# KiCad board SplitKeeb.kicad_pcb
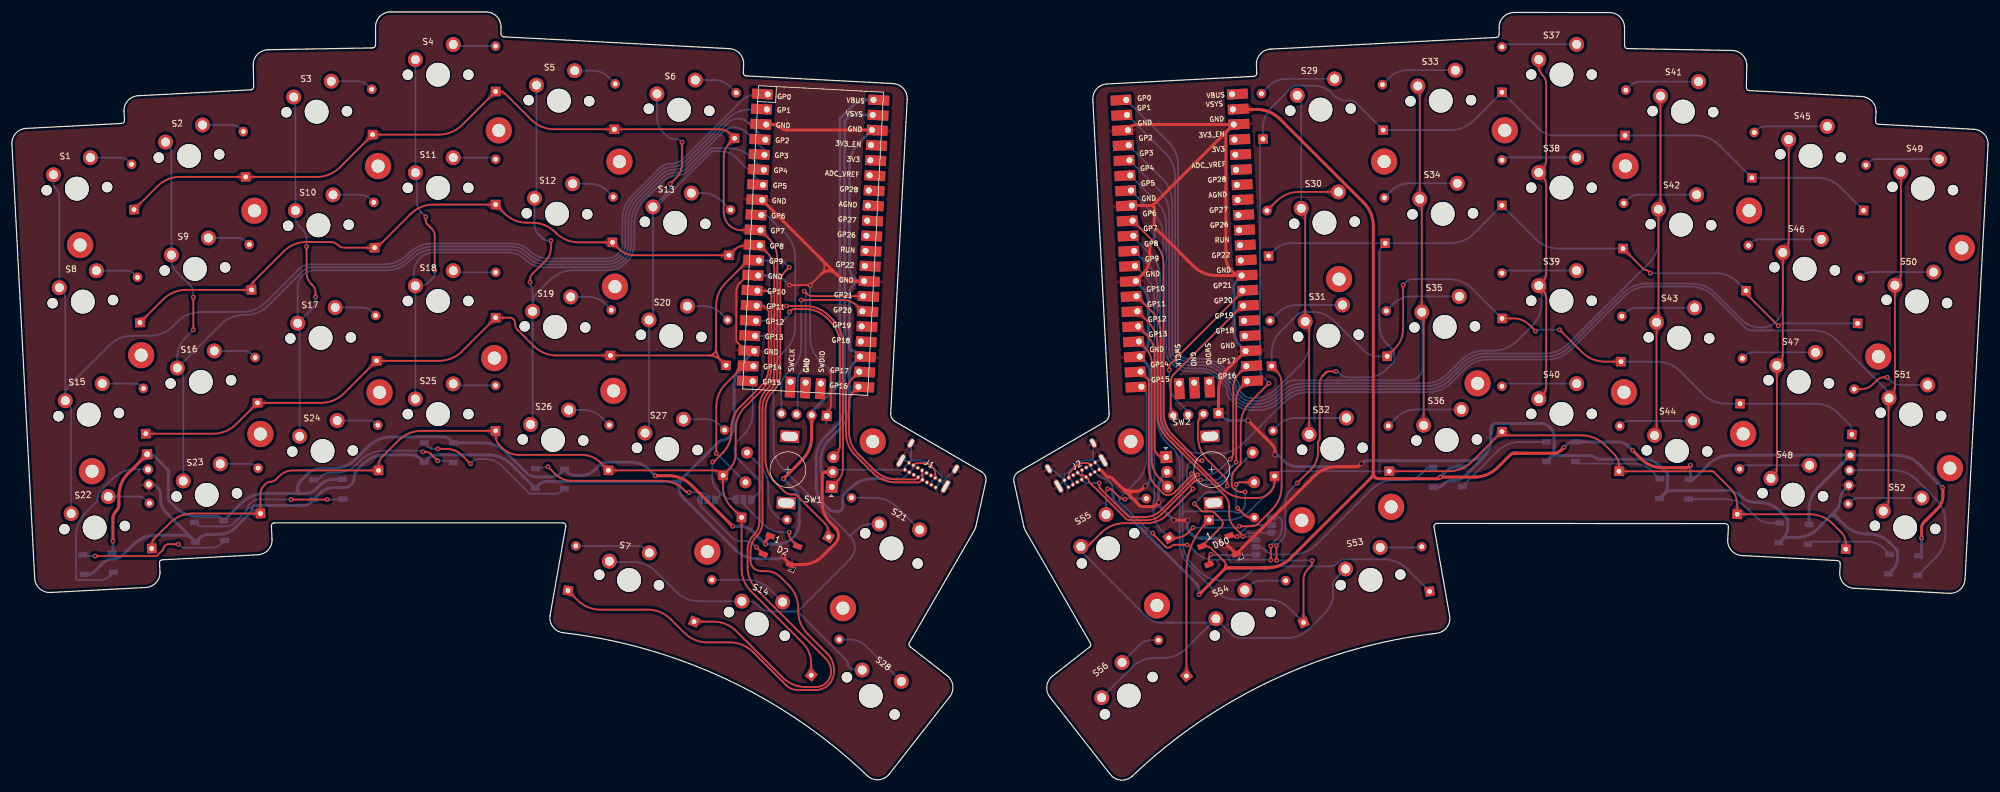
[diagram p0: board, top side]
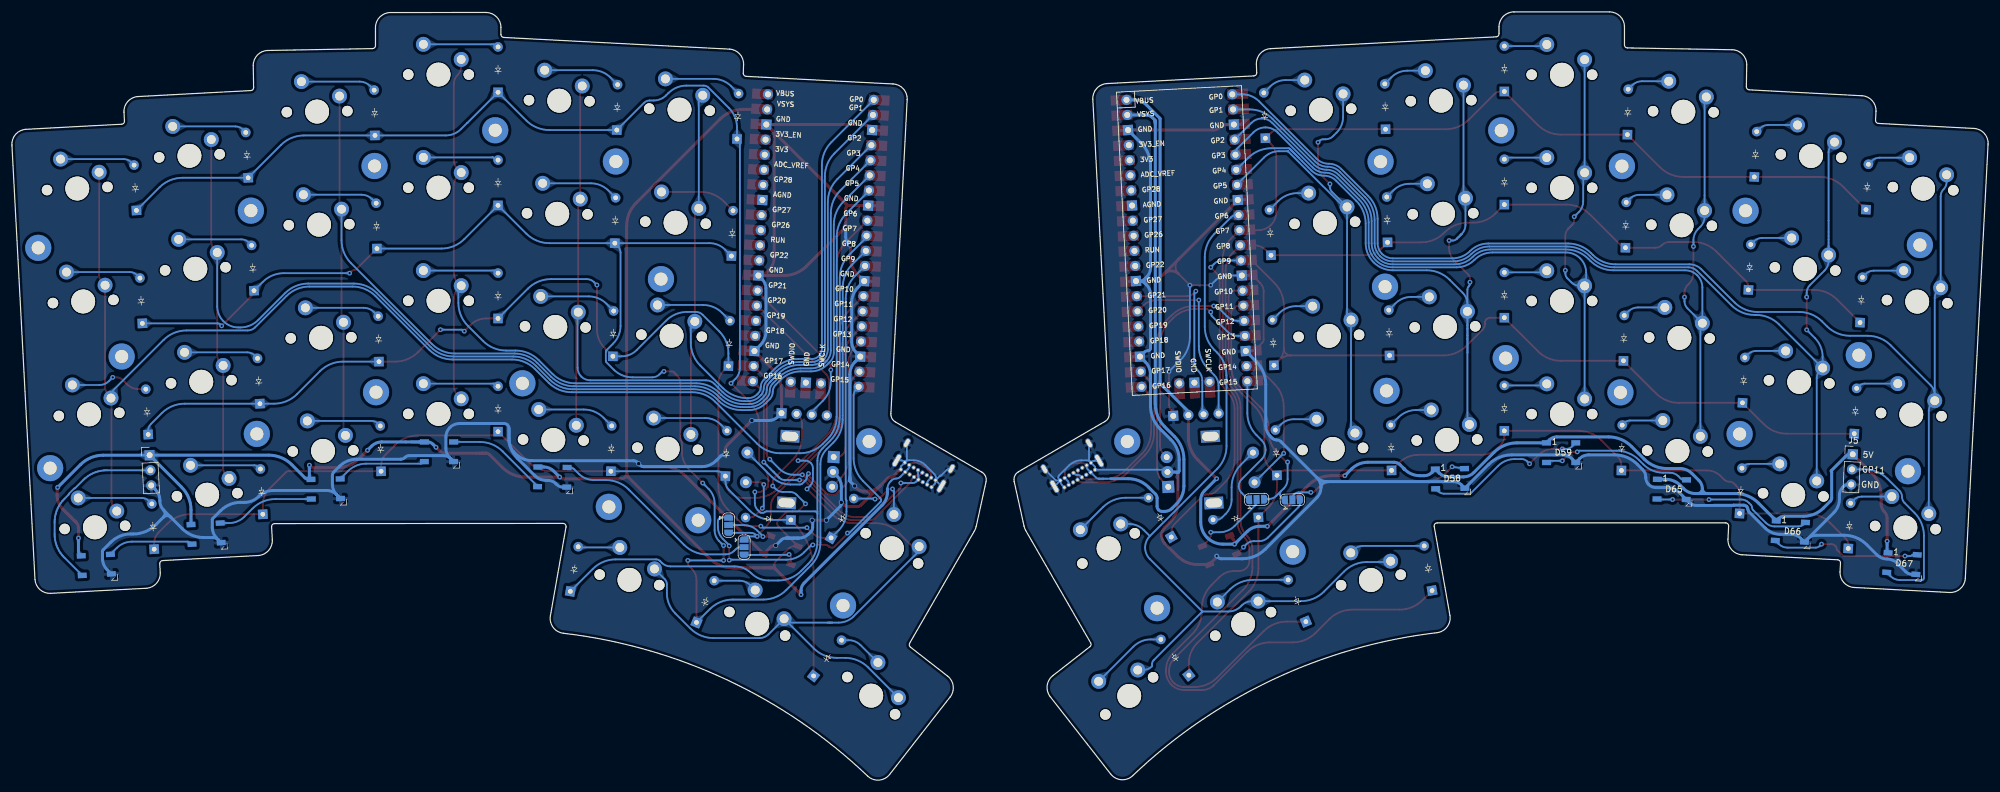
[diagram p1: board, bottom side, seen from below]

Outline 331.61 x 129.03 mm; copper layers: Top, Bottom. Coordinates in mm from the lower left corner of the outline.
Outline path: 0,106.83 arc(0.64,108.63) 2.37,109.46 18.41,110.3 arc(18.76,110.46) 18.89,110.82 18.81,112.32 arc(19.45,114.13) 21.17,114.95 40.09,115.94 arc(40.43,116.1) 40.57,116.45 40.5,120.13 arc(41.2,121.91) 42.96,122.67 60.52,122.98 arc(60.88,123.13) 61.02,123.48 61.02,126.53 arc(61.75,128.3) 63.52,129.03 79.57,129.03 arc(81.34,128.3) 82.07,126.53 82.07,125.34 arc(82.21,124.99) 82.54,124.84 120.41,122.86 arc(122.12,122.05) 122.78,120.26 122.73,118.81 arc(122.86,118.44) 123.2,118.28 147.87,116.99 arc(149.59,116.17) 150.23,114.36 147.47,61.61 arc(147.65,60.8) 148.21,60.22 162.72,51.78 arc(163.34,51.09) 163.43,50.16 161.77,42.64 arc(161.66,42.27) 161.49,41.93 150.59,23.04 arc(150.53,22.7) 150.71,22.4 156.95,17.53 arc(157.9,15.86) 157.38,14.02 147.23,1.02 arc(145.44,0.06) 143.53,0.75 arc(119.96,16.91) 92.48,24.76 arc(90.77,25.75) 90.31,27.68 92.94,42.62 arc(92.83,43.03) 92.45,43.21 44.04,43.21 arc(43.67,43.05) 43.54,42.68 43.65,40.47 arc(43.01,38.67) 41.29,37.85 25.24,37 arc(24.89,36.84) 24.77,36.48 24.84,34.98 arc(24.21,33.18) 22.48,32.35 6.45,31.51 arc(4.65,32.15) 3.82,33.88 0,106.83 ; 168.15,50.11 arc(168.24,51.04) 168.86,51.73 183.36,60.16 arc(183.93,60.74) 184.11,61.54 181.38,114.3 arc(182.02,116.1) 183.75,116.93 208.41,118.21 arc(208.75,118.37) 208.89,118.72 208.84,120.2 arc(209.49,121.97) 211.2,122.78 249.08,124.74 arc(249.42,124.9) 249.55,125.24 249.55,126.43 arc(250.28,128.19) 252.05,128.93 252.05,128.93 268.07,128.92 arc(269.85,128.2) 270.6,126.44 270.6,123.37 arc(270.74,123.02) 271.09,122.87 288.66,122.55 arc(290.42,121.79) 291.12,120.01 291.05,116.32 arc(291.18,115.97) 291.52,115.81 310.44,114.81 arc(312.17,113.99) 312.8,112.18 312.72,110.69 arc(312.85,110.33) 313.2,110.16 329.24,109.31 arc(330.97,108.48) 331.61,106.68 327.74,33.73 arc(326.92,32.01) 325.09,31.37 309.08,32.22 arc(307.36,33.04) 306.72,34.83 306.8,36.34 arc(306.67,36.7) 306.33,36.87 290.28,37.72 arc(288.55,38.55) 287.92,40.35 288.03,42.55 arc(287.9,42.93) 287.53,43.08 239.12,43.11 arc(238.73,42.94) 238.63,42.53 241.25,27.58 arc(240.79,25.65) 239.08,24.67 arc(211.59,16.83) 188.01,0.68 arc(186.11,0) 184.33,0.94 174.17,13.96 arc(173.66,15.81) 174.6,17.47 180.84,22.34 arc(181.03,22.64) 180.97,22.99 170.08,41.88 arc(169.91,42.22) 169.8,42.59 168.15,50.11
Stack: Top 0.035mm / dielectric 1.51mm FR4 er 4.5 / Bottom 0.035mm

## Placement (name value [footprint] x y rotation side)
D1  Diode  [Diode_DO-35]  20.49 95.83 93 bottom
D2  -  [LED_WS2812B]  128.96 38.63 339 top
D3  Diode  [Diode_DO-35]  39.23 101.31 93 bottom
D4  Diode  [Diode_DO-35]  60.52 108.42 91 bottom
D5  Diode  [Diode_DO-35]  81.17 115.67 90 bottom
D6  Diode  [Diode_DO-35]  101.1 109.32 89 bottom
D7  Diode  [Diode_DO-35]  121.27 107.82 88 bottom
D8  Diode  [Diode_DO-35]  93.3 31.83 80 bottom
D9  Diode  [Diode_DO-35]  21.48 76.85 93 bottom
D10  Diode  [Diode_DO-35]  40.22 82.34 93 bottom
D11  Diode  [Diode_DO-35]  60.85 89.42 91 bottom
D12  Diode  [Diode_DO-35]  81.17 96.67 90 bottom
D13  Diode  [Diode_DO-35]  100.77 90.32 89 bottom
D14  Diode  [Diode_DO-35]  120.33 88.16 88 bottom
D15  Diode  [Diode_DO-35]  114.47 26.62 67 bottom
D16  Diode  [Diode_DO-35]  22.46 58.19 93 bottom
D17  Diode  [Diode_DO-35]  41.21 63.37 93 bottom
D18  Diode  [Diode_DO-35]  61.19 70.42 91 bottom
D19  Diode  [Diode_DO-35]  81.17 77.67 90 bottom
D20  Diode  [Diode_DO-35]  100.44 71.33 89 bottom
D21  Diode  [Diode_DO-35]  119.83 69.67 88 bottom
D22  Diode  [Diode_DO-35]  137.06 40.83 60 bottom
D23  Diode  [Diode_DO-35]  23.47 38.9 93 bottom
D24  Diode  [Diode_DO-35]  41.7 44.78 93 bottom
D25  Diode  [Diode_DO-35]  61.53 52.01 91 bottom
D26  Diode  [Diode_DO-35]  81.17 58.67 90 bottom
D27  Diode  [Diode_DO-35]  100.1 52.02 89 bottom
D28  Diode  [Diode_DO-35]  119.33 51.19 88 bottom
D29  Diode  [Diode_DO-35]  134.12 17.62 52 bottom
D30  Diode  [Diode_DO-35]  209.94 107.69 92 bottom
D31  Diode  [Diode_DO-35]  210.87 88.03 92 bottom
D32  Diode  [Diode_DO-35]  211.38 69.54 92 bottom
D33  Diode  [Diode_DO-35]  211.88 51.06 92 bottom
D34  Diode  [Diode_DO-35]  230.11 109.19 91 bottom
D35  Diode  [Diode_DO-35]  230.44 90.19 91 bottom
D36  Diode  [Diode_DO-35]  230.77 71.18 91 bottom
D37  Diode  [Diode_DO-35]  231.1 51.88 91 bottom
D38  Diode  [Diode_DO-35]  250.04 115.53 90 bottom
D39  Diode  [Diode_DO-35]  250.04 96.53 90 bottom
D40  Diode  [Diode_DO-35]  250.04 77.54 90 bottom
D41  Diode  [Diode_DO-35]  250.04 58.53 90 bottom
D42  Diode  [Diode_DO-35]  270.69 108.28 89 bottom
D43  Diode  [Diode_DO-35]  270.36 89.28 89 bottom
D44  Diode  [Diode_DO-35]  270.02 70.29 89 bottom
D45  Diode  [Diode_DO-35]  269.67 51.87 89 bottom
D46  Diode  [Diode_DO-35]  291.97 101.17 87 bottom
D47  Diode  [Diode_DO-35]  290.99 82.2 87 bottom
D48  Diode  [Diode_DO-35]  290 63.22 87 bottom
D49  Diode  [Diode_DO-35]  289.51 44.65 87 bottom
D50  Diode  [Diode_DO-35]  310.72 95.69 87 bottom
D51  Diode  [Diode_DO-35]  309.73 76.72 87 bottom
D52  Diode  [Diode_DO-35]  308.75 58.05 87 bottom
D53  Diode  [Diode_DO-35]  307.74 38.78 87 bottom
D54  Diode  [Diode_DO-35]  237.91 31.7 100 bottom
D55  Diode  [Diode_DO-35]  216.74 26.48 113 bottom
D56  Diode  [Diode_DO-35]  194.15 40.69 120 bottom
D57  Diode  [Diode_DO-35]  197.09 17.5 128 bottom
D58  -  [LED_WS2812B]  90.28 50.63 179 bottom
D59  -  [LED_WS2812B]  71.64 55 180 bottom
D60  LED_WS2812B  [LED_WS2812B#2]  202.57 38.63 21 top
D61  -  [LED_WS2812B]  240.93 50.9 181 bottom
D62  -  [LED_WS2812B]  259.94 55.15 180 bottom
D63  Diode  [Diode_DO-35]  122.44 44.13 357 bottom
D64  Diode  [Diode_DO-35]  200.89 43.7 3 bottom
D65  -  [LED_WS2812B]  53.08 48.82 181 bottom
D66  -  [LED_WS2812B]  33.18 41.76 183 bottom
D67  -  [LED_WS2812B]  14.45 36.37 184 bottom
D68  -  [LED_WS2812B]  278.94 48.9 179 bottom
D69  LED_WS2812B  [LED_WS2812B#3]  299.02 41.4 177 bottom
D70  LED_WS2812B  [LED_WS2812B#3]  317.44 36.15 177 bottom
J1  USB_C_Receptacle_USB2.0_16P  [USB_C_Receptacle_GCT_USB4085]  155.01 49.16 150 top
J2  USB_C_Receptacle_USB2.0_16P  [USB_C_Receptacle_GCT_USB4085#2]  182.45 52.18 210 top
J3  -  [OLED_128x32]  126.86 60.09 87 top
J4  -  [OLED_128x32]  192.77 59.52 93 top
J5  Conn_01x03  [PinHeader_1x03_P2.54mm_Vertical]  22.71 54.72 183 bottom
J6  Conn_01x03  [PinHeader_1x03_P2.54mm_Vertical]  308.5 54.57 177 bottom
JP1  SolderJumper_3_Open  [SolderJumper-3_P1.3mm_Open_RoundedPad1.0x1.5mm]  122.74 47.13 178 bottom
JP2  SolderJumper_3_Open  [SolderJumper-3_P1.3mm_Open_RoundedPad1.0x1.5mm]  116.74 47.07 178 bottom
JP3  SolderJumper_3_Open  [SolderJumper-3_P1.3mm_Open_RoundedPad1.0x1.5mm]  208.74 39.13 270 bottom
JP4  SolderJumper_3_Open  [SolderJumper-3_P1.3mm_Open_RoundedPad1.0x1.5mm]  211.34 42.83 270 bottom
NOREF  -  [unnamed]  270.51 65.15 180 bottom
NOREF#2  -  [unnamed]  270.76 103.15 180 bottom
NOREF#3  -  [unnamed]  216.44 43.65 180 bottom
NOREF#4  -  [unnamed]  230.26 103.9 180 bottom
NOREF#5  -  [unnamed]  187.76 56.9 180 bottom
NOREF#6  -  [unnamed]  291.51 95.65 180 bottom
NOREF#7  -  [unnamed]  290.51 58.15 180 bottom
NOREF#8  -  [unnamed]  327.19 89.4 180 bottom
NOREF#9  -  [unnamed]  222.69 84.15 180 bottom
NOREF#10  -  [unnamed]  192.14 29.33 180 bottom
NOREF#11  -  [unnamed]  313.19 71.15 180 bottom
NOREF#12  -  [unnamed]  245.94 66.65 180 bottom
NOREF#13  -  [unnamed]  250.51 109.15 180 bottom
NOREF#14  -  [unnamed]  325.19 52.4 180 bottom
NOREF#15  -  [unnamed]  231.44 45.9 180 bottom
REF**  -  [MountingHole_2.2mm_M2_Pad]  100.94 65.38 0 top
REF**#2  -  [MountingHole_2.2mm_M2_Pad]  144.44 56.88 0 top
REF**#3  -  [MountingHole_2.2mm_M2_Pad]  61.44 103.13 0 top
REF**#4  -  [MountingHole_2.2mm_M2_Pad]  101.19 82.88 0 top
REF**#5  -  [MountingHole_2.2mm_M2_Pad]  40.69 95.63 0 top
REF**#6  -  [MountingHole_2.2mm_M2_Pad]  61.69 65.13 0 top
REF**#7  -  [MountingHole_2.2mm_M2_Pad]  116.69 38.38 0 top
REF**#8  -  [MountingHole_2.2mm_M2_Pad]  21.69 71.38 0 top
REF**#9  -  [MountingHole_2.2mm_M2_Pad]  13.44 51.88 0 top
REF**#10  -  [MountingHole_2.2mm_M2_Pad]  139.44 28.88 0 top
REF**#11  -  [MountingHole_2.2mm_M2_Pad]  81.69 109.13 0 top
REF**#12  -  [MountingHole_2.2mm_M2_Pad]  80.94 70.88 0 top
REF**#13  -  [MountingHole_2.2mm_M2_Pad]  41.69 58.13 0 top
REF**#14  -  [MountingHole_2.2mm_M2_Pad]  11.44 89.88 0 top
REF**#15  -  [MountingHole_2.2mm_M2_Pad]  101.94 103.88 0 top
S1  Keyswitch  [MX_PCB_1.00u]  10.9 99.34 3 top
S2  Keyswitch  [MX_PCB_1.00u]  29.71 104.83 3 top
S3  Keyswitch  [MX_PCB_1.00u]  51.13 112.26 1 top
S4  Keyswitch  [MX_PCB_1.00u]  71.51 118.48 0 top
S5  Keyswitch  [MX_PCB_1.00u]  91.79 114.12 359 top
S6  Keyswitch  [MX_PCB_1.00u]  111.95 112.59 358 top
S7  Keyswitch  [MX_PCB_1.00u]  103.57 33.61 350 top
S8  Keyswitch  [MX_PCB_1.00u]  11.89 80.36 3 top
S9  Keyswitch  [MX_PCB_1.00u]  30.7 85.86 3 top
S10  Keyswitch  [MX_PCB_1.00u]  51.43 93.19 1 top
S11  Keyswitch  [MX_PCB_1.00u]  71.51 99.48 0 top
S12  Keyswitch  [MX_PCB_1.00u]  91.46 95.13 359 top
S13  Keyswitch  [MX_PCB_1.00u]  111.29 93.6 358 top
S14  Keyswitch  [MX_PCB_1.00u]  125.01 26.23 337 top
S15  Keyswitch  [MX_PCB_1.00u]  12.89 61.39 3 top
S16  Keyswitch  [MX_PCB_1.00u]  31.7 66.88 3 top
S17  Keyswitch  [MX_PCB_1.00u]  51.8 74.27 1 top
S18  Keyswitch  [MX_PCB_1.00u]  71.51 80.48 0 top
S19  Keyswitch  [MX_PCB_1.00u]  91.13 76.13 359 top
S20  Keyswitch  [MX_PCB_1.00u]  110.63 74.61 358 top
S21  Keyswitch  [MX_PCB_1.00u]  147.58 38.92 330 top
S22  Keyswitch  [MX_PCB_1.00u]  13.88 42.42 3 top
S23  Keyswitch  [MX_PCB_1.00u]  32.69 47.91 3 top
S24  Keyswitch  [MX_PCB_1.00u]  52.13 55.27 1 top
S25  Keyswitch  [MX_PCB_1.00u]  71.51 61.48 0 top
S26  Keyswitch  [MX_PCB_1.00u]  90.8 57.13 359 top
S27  Keyswitch  [MX_PCB_1.00u]  109.96 55.63 358 top
S28  Keyswitch  [MX_PCB_1.00u]  144.12 14.15 322 top
S29  Keyswitch  [MX_PCB_1.00u]  219.58 112.62 2 top
S30  Keyswitch  [MX_PCB_1.00u]  220.25 93.63 2 top
S31  Keyswitch  [MX_PCB_1.00u]  220.91 74.64 2 top
S32  Keyswitch  [MX_PCB_1.00u]  221.57 55.65 2 top
S33  Keyswitch  [MX_PCB_1.00u]  239.76 114.12 1 top
S34  Keyswitch  [MX_PCB_1.00u]  240.1 95.12 1 top
S35  Keyswitch  [MX_PCB_1.00u]  240.43 76.12 1 top
S36  Keyswitch  [MX_PCB_1.00u]  240.76 57.12 1 top
S37  Keyswitch  [MX_PCB_1.00u]  260.02 118.51 0 top
S38  Keyswitch  [MX_PCB_1.00u]  260.02 99.51 0 top
S39  Keyswitch  [MX_PCB_1.00u]  260.02 80.51 0 top
S40  Keyswitch  [MX_PCB_1.00u]  260.02 61.51 0 top
S41  Keyswitch  [MX_PCB_1.00u]  280.4 112.29 359 top
S42  Keyswitch  [MX_PCB_1.00u]  280.07 93.29 359 top
S43  Keyswitch  [MX_PCB_1.00u]  279.74 74.29 359 top
S44  Keyswitch  [MX_PCB_1.00u]  279.4 55.3 359 top
S45  Keyswitch  [MX_PCB_1.00u]  301.82 104.86 357 top
S46  Keyswitch  [MX_PCB_1.00u]  300.83 85.88 357 top
S47  Keyswitch  [MX_PCB_1.00u]  299.84 66.91 357 top
S48  Keyswitch  [MX_PCB_1.00u]  298.84 47.94 357 top
S49  Keyswitch  [MX_PCB_1.00u]  320.64 99.37 357 top
S50  Keyswitch  [MX_PCB_1.00u]  319.65 80.39 357 top
S51  Keyswitch  [MX_PCB_1.00u]  318.66 61.43 357 top
S52  Keyswitch  [MX_PCB_1.00u]  317.68 42.45 357 top
S53  Keyswitch  [MX_PCB_1.00u]  227.98 33.63 10 top
S54  Keyswitch  [MX_PCB_1.00u]  206.53 26.26 23 top
S55  Keyswitch  [MX_PCB_1.00u]  183.94 38.94 30 top
S56  Keyswitch  [MX_PCB_1.00u]  187.41 14.19 38 top
SW1  RotaryEncoder_Switch_MP  [RotaryEncoder_Alps_EC11E-Switch_Vertical_H20mm]  137.57 49.25 177 top
SW2  RotaryEncoder_Switch_MP  [RotaryEncoder_Alps_EC11E-Switch_Vertical_H20mm]  193.71 54.26 3 top
U1  Raspberry_Pi_Pico  [Raspberry_Pi_Pico#2]  134.44 90.63 357 top
U2  -  [Raspberry_Pi_Pico]  197.13 90.63 3 top

## Library data of the parts
D1 D3-D57 D63 D64 = -: Description: 1N4148 (DO-35) or 1N4148W (SOD-123); Sim.Device: D; Sim.Pins: 1=K 2=A; ki_fp_filters: D*DO?35*
D2 D58-D62 D65-D70 = -: Datasheet: https://cdn-shop.adafruit.com/datasheets/WS2812B.pdf; Description: RGB LED with integrated controller; ki_fp_filters: LED*WS2812*PLCC*5.0x5.0mm*P3.2mm*
J1 J2 = -: Datasheet: https://www.usb.org/sites/default/files/documents/usb_type-c.zip; Description: USB 2.0-only 16P Type-C Receptacle connector; ki_fp_filters: USB*C*Receptacle*
J5 J6 = -: Description: Generic connector, single row, 01x03, script generated (kicad-library-utils/schlib/autogen/connector/); ki_fp_filters: Connector*:*_1x??_*
JP1-JP4 = -: Description: Solder Jumper, 3-pole, open; ki_fp_filters: SolderJumper*Open*
S1-S56 = -: Description: Push button switch, normally open, two pins, 45° tilted
SW1 SW2 = -: Description: Rotary encoder, dual channel, incremental quadrate outputs, with switch and MP Pin; ki_fp_filters: RotaryEncoder*Switch*

## Footprints (pads in the part's own frame, mm; a bottom-side part is the same pattern mirrored in y, then rotated)
Diode_DO-35
  rect 1.6x1.6 hole 0.8: 1(0,0)
  oval 1.6x1.6 hole 0.8: 2(7.62,0)
LED_WS2812B
  rect 1.5x0.9 smd: 1(-2.45,1.65) 2(-2.45,-1.65) 3(2.45,-1.65) 4(2.45,1.65)
LED_WS2812B#2
  rect 1.5x0.9 smd: 1(-2.45,1.65) 2(-2.45,-1.65) 3(2.45,-1.65) 4(2.45,1.65)
LED_WS2812B#3
  rect 1.5x0.9 smd: 1(-2.45,1.65) 2(-2.45,-1.65) 3(2.45,-1.65) 4(2.45,1.65)
MountingHole_2.2mm_M2_Pad
  round 4.4 hole 2.2: 1(0,0)
MX_PCB_1.00u
  round 1.75 hole 1.75 unplated: (-5.08,0) (5.08,0)
  round 4 hole 4 unplated: (0,0)
  round 2.5 hole 1.5: 1(-3.81,2.54) 2(2.54,5.08)
OLED_128x32
  rect 1.7x1.7 hole 1: 1(1.6,-9.8)
  oval 1.7x1.7 hole 1: 2(1.6,-7.26) 3(1.6,-4.72) 4(1.6,-2.18)
PinHeader_1x03_P2.54mm_Vertical
  rect 1.7x1.7 hole 1: 1(0,0)
  oval 1.7x1.7 hole 1: 2(0,-2.54) 3(0,-5.08)
Raspberry_Pi_Pico
  oval 1.7x1.7 hole 1.02: 1(-8.89,24.13) 2(-8.89,21.59) 4(-8.89,16.51) 5(-8.89,13.97) 6(-8.89,11.43) 7(-8.89,8.89) 9(-8.89,3.81) 10(-8.89,1.27) 11(-8.89,-1.27) 12(-8.89,-3.81) 14(-8.89,-8.89) 15(-8.89,-11.43) 16(-8.89,-13.97) 17(-8.89,-16.51) 19(-8.89,-21.59) 20(-8.89,-24.13) 21(8.89,-24.13) 22(8.89,-21.59) 24(8.89,-16.51) 25(8.89,-13.97) 26(8.89,-11.43) 27(8.89,-8.89) 29(8.89,-3.81) 30(8.89,-1.27) 31(8.89,1.27) 32(8.89,3.81) 34(8.89,8.89) 35(8.89,11.43) 36(8.89,13.97) 37(8.89,16.51) 39(8.89,21.59) 40(8.89,24.13) 41(-2.54,-23.9) 43(2.54,-23.9)
  rect 3.5x1.7 smd: 1(-8.89,24.13) 2(-8.89,21.59) 3(-8.89,19.05) 4(-8.89,16.51) 5(-8.89,13.97) 6(-8.89,11.43) 7(-8.89,8.89) 8(-8.89,6.35) 9(-8.89,3.81) 10(-8.89,1.27) 11(-8.89,-1.27) 12(-8.89,-3.81) 13(-8.89,-6.35) 14(-8.89,-8.89) 15(-8.89,-11.43) 16(-8.89,-13.97) 17(-8.89,-16.51) 18(-8.89,-19.05) 19(-8.89,-21.59) 20(-8.89,-24.13) 21(8.89,-24.13) 22(8.89,-21.59) 23(8.89,-19.05) 24(8.89,-16.51) 25(8.89,-13.97) 26(8.89,-11.43) 27(8.89,-8.89) 28(8.89,-6.35) 29(8.89,-3.81) 30(8.89,-1.27) 31(8.89,1.27) 32(8.89,3.81) 33(8.89,6.35) 34(8.89,8.89) 35(8.89,11.43) 36(8.89,13.97) 37(8.89,16.51) 38(8.89,19.05) 39(8.89,21.59) 40(8.89,24.13)
  rect 1.7x1.7 hole 1.02: 3(-8.89,19.05) 8(-8.89,6.35) 13(-8.89,-6.35) 18(-8.89,-19.05) 23(8.89,-19.05) 28(8.89,-6.35) 33(8.89,6.35) 38(8.89,19.05) 42(0,-23.9)
  rect 1.7x3.5 smd: 41(-2.54,-23.9) 42(0,-23.9) 43(2.54,-23.9)
Raspberry_Pi_Pico#2
  oval 1.7x1.7 hole 1.02: 1(-8.89,24.13) 2(-8.89,21.59) 4(-8.89,16.51) 5(-8.89,13.97) 6(-8.89,11.43) 7(-8.89,8.89) 9(-8.89,3.81) 10(-8.89,1.27) 11(-8.89,-1.27) 12(-8.89,-3.81) 14(-8.89,-8.89) 15(-8.89,-11.43) 16(-8.89,-13.97) 17(-8.89,-16.51) 19(-8.89,-21.59) 20(-8.89,-24.13) 21(8.89,-24.13) 22(8.89,-21.59) 24(8.89,-16.51) 25(8.89,-13.97) 26(8.89,-11.43) 27(8.89,-8.89) 29(8.89,-3.81) 30(8.89,-1.27) 31(8.89,1.27) 32(8.89,3.81) 34(8.89,8.89) 35(8.89,11.43) 36(8.89,13.97) 37(8.89,16.51) 39(8.89,21.59) 40(8.89,24.13) 41(-2.54,-23.9) 43(2.54,-23.9)
  rect 3.5x1.7 smd: 1(-8.89,24.13) 2(-8.89,21.59) 3(-8.89,19.05) 4(-8.89,16.51) 5(-8.89,13.97) 6(-8.89,11.43) 7(-8.89,8.89) 8(-8.89,6.35) 9(-8.89,3.81) 10(-8.89,1.27) 11(-8.89,-1.27) 12(-8.89,-3.81) 13(-8.89,-6.35) 14(-8.89,-8.89) 15(-8.89,-11.43) 16(-8.89,-13.97) 17(-8.89,-16.51) 18(-8.89,-19.05) 19(-8.89,-21.59) 20(-8.89,-24.13) 21(8.89,-24.13) 22(8.89,-21.59) 23(8.89,-19.05) 24(8.89,-16.51) 25(8.89,-13.97) 26(8.89,-11.43) 27(8.89,-8.89) 28(8.89,-6.35) 29(8.89,-3.81) 30(8.89,-1.27) 31(8.89,1.27) 32(8.89,3.81) 33(8.89,6.35) 34(8.89,8.89) 35(8.89,11.43) 36(8.89,13.97) 37(8.89,16.51) 38(8.89,19.05) 39(8.89,21.59) 40(8.89,24.13)
  rect 1.7x1.7 hole 1.02: 3(-8.89,19.05) 8(-8.89,6.35) 13(-8.89,-6.35) 18(-8.89,-19.05) 23(8.89,-19.05) 28(8.89,-6.35) 33(8.89,6.35) 38(8.89,19.05) 42(0,-23.9)
  rect 1.7x3.5 smd: 41(-2.54,-23.9) 42(0,-23.9) 43(2.54,-23.9)
RotaryEncoder_Alps_EC11E-Switch_Vertical_H20mm
  rect 2x2 hole 1: A(0,0)
  round 2 hole 1: B(0,-5) C(0,-2.5) S1(14.5,-5) S2(14.5,0)
  rect 3.2x2 hole 2.8x1.5: MP(7.5,3.1) MP(7.5,-8.1)
SolderJumper-3_P1.3mm_Open_RoundedPad1.0x1.5mm
  custom 1.05x1.5 smd: 1(-1.3,0) 3(1.3,0)
  rect 1x1.5 smd: 2(0,0)
unnamed
  round 4.4 hole 2.2: 1(0,0)
USB_C_Receptacle_GCT_USB4085
  round 0.7 hole 0.4: A1(0,0) A4(0.85,0) A5(1.7,0) A6(2.55,0) A7(3.4,0) A8(4.25,0) A9(5.1,0) A12(5.95,0) B1(5.95,-1.35) B4(5.1,-1.35) B5(4.25,-1.35) B6(3.4,-1.35) B7(2.55,-1.35) B8(1.7,-1.35) B9(0.85,-1.35) B12(0,-1.35)
  oval 0.9x2.4 hole 0.6x2.1: S1(-1.35,-0.98) S1(7.3,-0.98)
  oval 0.9x1.7 hole 0.6x1.4: S1(-1.35,-4.36) S1(7.3,-4.36)
USB_C_Receptacle_GCT_USB4085#2
  round 0.7 hole 0.4: A1(0,0) A4(0.85,0) A5(1.7,0) A6(2.55,0) A7(3.4,0) A8(4.25,0) A9(5.1,0) A12(5.95,0) B1(5.95,-1.35) B4(5.1,-1.35) B5(4.25,-1.35) B6(3.4,-1.35) B7(2.55,-1.35) B8(1.7,-1.35) B9(0.85,-1.35) B12(0,-1.35)
  oval 0.9x2.4 hole 0.6x2.1: S1(-1.35,-0.98) S1(7.3,-0.98)
  oval 0.9x1.7 hole 0.6x1.4: S1(-1.35,-4.36) S1(7.3,-4.36)

## Nets
+5V: D2.1 D58.1 D59.1 D65.1 D66.1 D67.1 J3.2 J5.1 U1.40
+5V 1: D60.1 D61.1 D62.1 D68.1 D69.1 D70.1 J2.A4 J2.A9 J2.B4 J2.B9 J4.2 J6.1 U2.39
GND: D2.3 D58.3 D59.3 D65.3 D66.3 D67.3 J1.A1 J1.A12 J1.B1 J1.B12 J1.S1 J3.1 J5.3 SW1.C U1.3 U1.8 U1.13 U1.18 U1.23 U1.28 U1.38
GND1: D60.3 D61.3 D62.3 D68.3 D69.3 D70.3 J2.A1 J2.A12 J2.B1 J2.B12 J2.S1 J4.1 J6.3 SW2.C U2.3 U2.8 U2.13 U2.18 U2.23 U2.28 U2.38
Indicator LED L: JP1.1 U1.20
Indicator LED R: JP4.1 U2.20
L Rotary A: SW1.A U1.16
L Rotary B: SW1.B U1.17
L SCL: J3.3 U1.27
L SDA: J3.4 U1.26
LCol1: S1.1 S8.1 S15.1 S22.1 U1.1
LCol2: S2.1 S9.1 S16.1 S23.1 U1.2
LCol3: S3.1 S10.1 S17.1 S24.1 U1.4
LCol4: S4.1 S11.1 S18.1 S25.1 U1.5
LCol5: S5.1 S12.1 S19.1 S26.1 U1.6
LCol6: S6.1 S13.1 S20.1 S27.1 U1.7
LCol7: S7.1 S14.1 S21.1 S28.1 U1.9
LRGB: JP1.3 JP2.1 U1.15
LRotarySwitch: SW1.S2 U1.19
LRow1: D1.1 D3.1 D4.1 D5.1 D6.1 D7.1 D8.1 U1.10
LRow2: D9.1 D10.1 D11.1 D12.1 D13.1 D14.1 D15.1 U1.11
LRow3: D16.1 D17.1 D18.1 D19.1 D20.1 D21.1 D22.1 U1.12
LRow4: D23.1 D24.1 D25.1 D26.1 D27.1 D28.1 D29.1 D63.1 U1.14
R Rotary A: SW2.A U2.16
R Rotary B: SW2.B U2.17
R SCL: J4.3 U2.27
R SDA: J4.4 U2.26
RCol1: S29.1 S30.1 S31.1 S32.1 U2.1
RCol2: S33.1 S34.1 S35.1 S36.1 U2.2
RCol3: S37.1 S38.1 S39.1 S40.1 U2.4
RCol4: S41.1 S42.1 S43.1 S44.1 U2.5
RCol5: S45.1 S46.1 S47.1 S48.1 U2.6
RCol6: S49.1 S50.1 S51.1 S52.1 U2.7
RCol7: S53.1 S54.1 S55.1 S56.1 U2.9
RRGB: JP3.1 JP4.3 U2.15
RRotarySwitch: SW2.S2 U2.19
RRow1: D30.1 D34.1 D38.1 D42.1 D46.1 D50.1 D54.1 U2.10
RRow2: D31.1 D35.1 D39.1 D43.1 D47.1 D51.1 D55.1 U2.11
RRow3: D32.1 D36.1 D40.1 D44.1 D48.1 D52.1 D56.1 U2.12
RRow4: D33.1 D37.1 D41.1 D45.1 D49.1 D53.1 D57.1 D64.1 U2.14
RX0: J1.A6 J1.B6 U1.22
RX1: J2.A7 J2.B7 U2.22
TX0: J1.A7 J1.B7 U1.21
TX1: J2.A6 J2.B6 U2.21
VSYS: J1.A4 J1.A9 J1.B4 J1.B9 U1.39
Net-(D1-A): D1.2 S1.2
Net-(D2-DIN): D2.4 JP1.2
Net-(D2-DOUT): D2.2 JP2.3
Net-(D3-A): D3.2 S2.2
Net-(D4-A): D4.2 S3.2
Net-(D5-A): D5.2 S4.2
Net-(D6-A): D6.2 S5.2
Net-(D7-A): D7.2 S6.2
Net-(D8-A): D8.2 S7.2
Net-(D9-A): D9.2 S8.2
Net-(D10-A): D10.2 S9.2
Net-(D11-A): D11.2 S10.2
Net-(D12-A): D12.2 S11.2
Net-(D13-A): D13.2 S12.2
Net-(D14-A): D14.2 S13.2
Net-(D15-A): D15.2 S14.2
Net-(D16-A): D16.2 S15.2
Net-(D17-A): D17.2 S16.2
Net-(D18-A): D18.2 S17.2
Net-(D19-A): D19.2 S18.2
Net-(D20-A): D20.2 S19.2
Net-(D21-A): D21.2 S20.2
Net-(D22-A): D22.2 S21.2
Net-(D23-A): D23.2 S22.2
Net-(D24-A): D24.2 S23.2
Net-(D25-A): D25.2 S24.2
Net-(D26-A): D26.2 S25.2
Net-(D27-A): D27.2 S26.2
Net-(D28-A): D28.2 S27.2
Net-(D29-A): D29.2 S28.2
Net-(D30-A): D30.2 S29.2
Net-(D31-A): D31.2 S30.2
Net-(D32-A): D32.2 S31.2
Net-(D33-A): D33.2 S32.2
Net-(D34-A): D34.2 S33.2
Net-(D35-A): D35.2 S34.2
Net-(D36-A): D36.2 S35.2
Net-(D37-A): D37.2 S36.2
Net-(D38-A): D38.2 S37.2
Net-(D39-A): D39.2 S38.2
Net-(D40-A): D40.2 S39.2
Net-(D41-A): D41.2 S40.2
Net-(D42-A): D42.2 S41.2
Net-(D43-A): D43.2 S42.2
Net-(D44-A): D44.2 S43.2
Net-(D45-A): D45.2 S44.2
Net-(D46-A): D46.2 S45.2
Net-(D47-A): D47.2 S46.2
Net-(D48-A): D48.2 S47.2
Net-(D49-A): D49.2 S48.2
Net-(D50-A): D50.2 S49.2
Net-(D51-A): D51.2 S50.2
Net-(D52-A): D52.2 S51.2
Net-(D53-A): D53.2 S52.2
Net-(D54-A): D54.2 S53.2
Net-(D55-A): D55.2 S54.2
Net-(D56-A): D56.2 S55.2
Net-(D57-A): D57.2 S56.2
Net-(D58-DIN): D58.4 JP2.2
Net-(D58-DOUT): D58.2 D59.4
Net-(D59-DOUT): D59.2 D65.4
Net-(D60-DIN): D60.4 JP4.2
Net-(D60-DOUT): D60.2 JP3.3
Net-(D61-DIN): D61.4 JP3.2
Net-(D61-DOUT): D61.2 D62.4
Net-(D62-DOUT): D62.2 D68.4
Net-(D63-A): D63.2 SW1.S1
Net-(D64-A): D64.2 SW2.S1
Net-(D65-DOUT): D65.2 D66.4
Net-(D66-DOUT): D66.2 D67.4
Net-(D67-DOUT): D67.2 J5.2
Net-(D68-DOUT): D68.2 D69.4
Net-(D69-DOUT): D69.2 D70.4
Net-(D70-DOUT): D70.2 J6.2

Pads without a net: J1 A5 A8 B5 B8; J2 A5 A8 B5 B8; NOREF 1; NOREF#2 1; NOREF#3 1; NOREF#4 1; NOREF#5 1; NOREF#6 1; NOREF#7 1; NOREF#8 1; NOREF#9 1; NOREF#10 1; NOREF#11 1; NOREF#12 1; NOREF#13 1; NOREF#14 1; NOREF#15 1; REF** 1; REF**#2 1; REF**#3 1; REF**#4 1; REF**#5 1; REF**#6 1; REF**#7 1; REF**#8 1; REF**#9 1; REF**#10 1; REF**#11 1; REF**#12 1; REF**#13 1; REF**#14 1; REF**#15 1; SW1 MP; SW2 MP; U1 24 25 29 30 31 32 33 34 35 36 37 41 42 43; U2 24 25 29 30 31 32 33 34 35 36 37 40 41 42 43

## Via types
v1: diameter 0.8, hole 0.4, Top to Bottom, 82 vias
v2: diameter 0.85, hole 0.6, Top to Bottom, 10 vias
